# Altium PCB spin5v1_simple.PcbDoc (part 6 of 25) (continued)
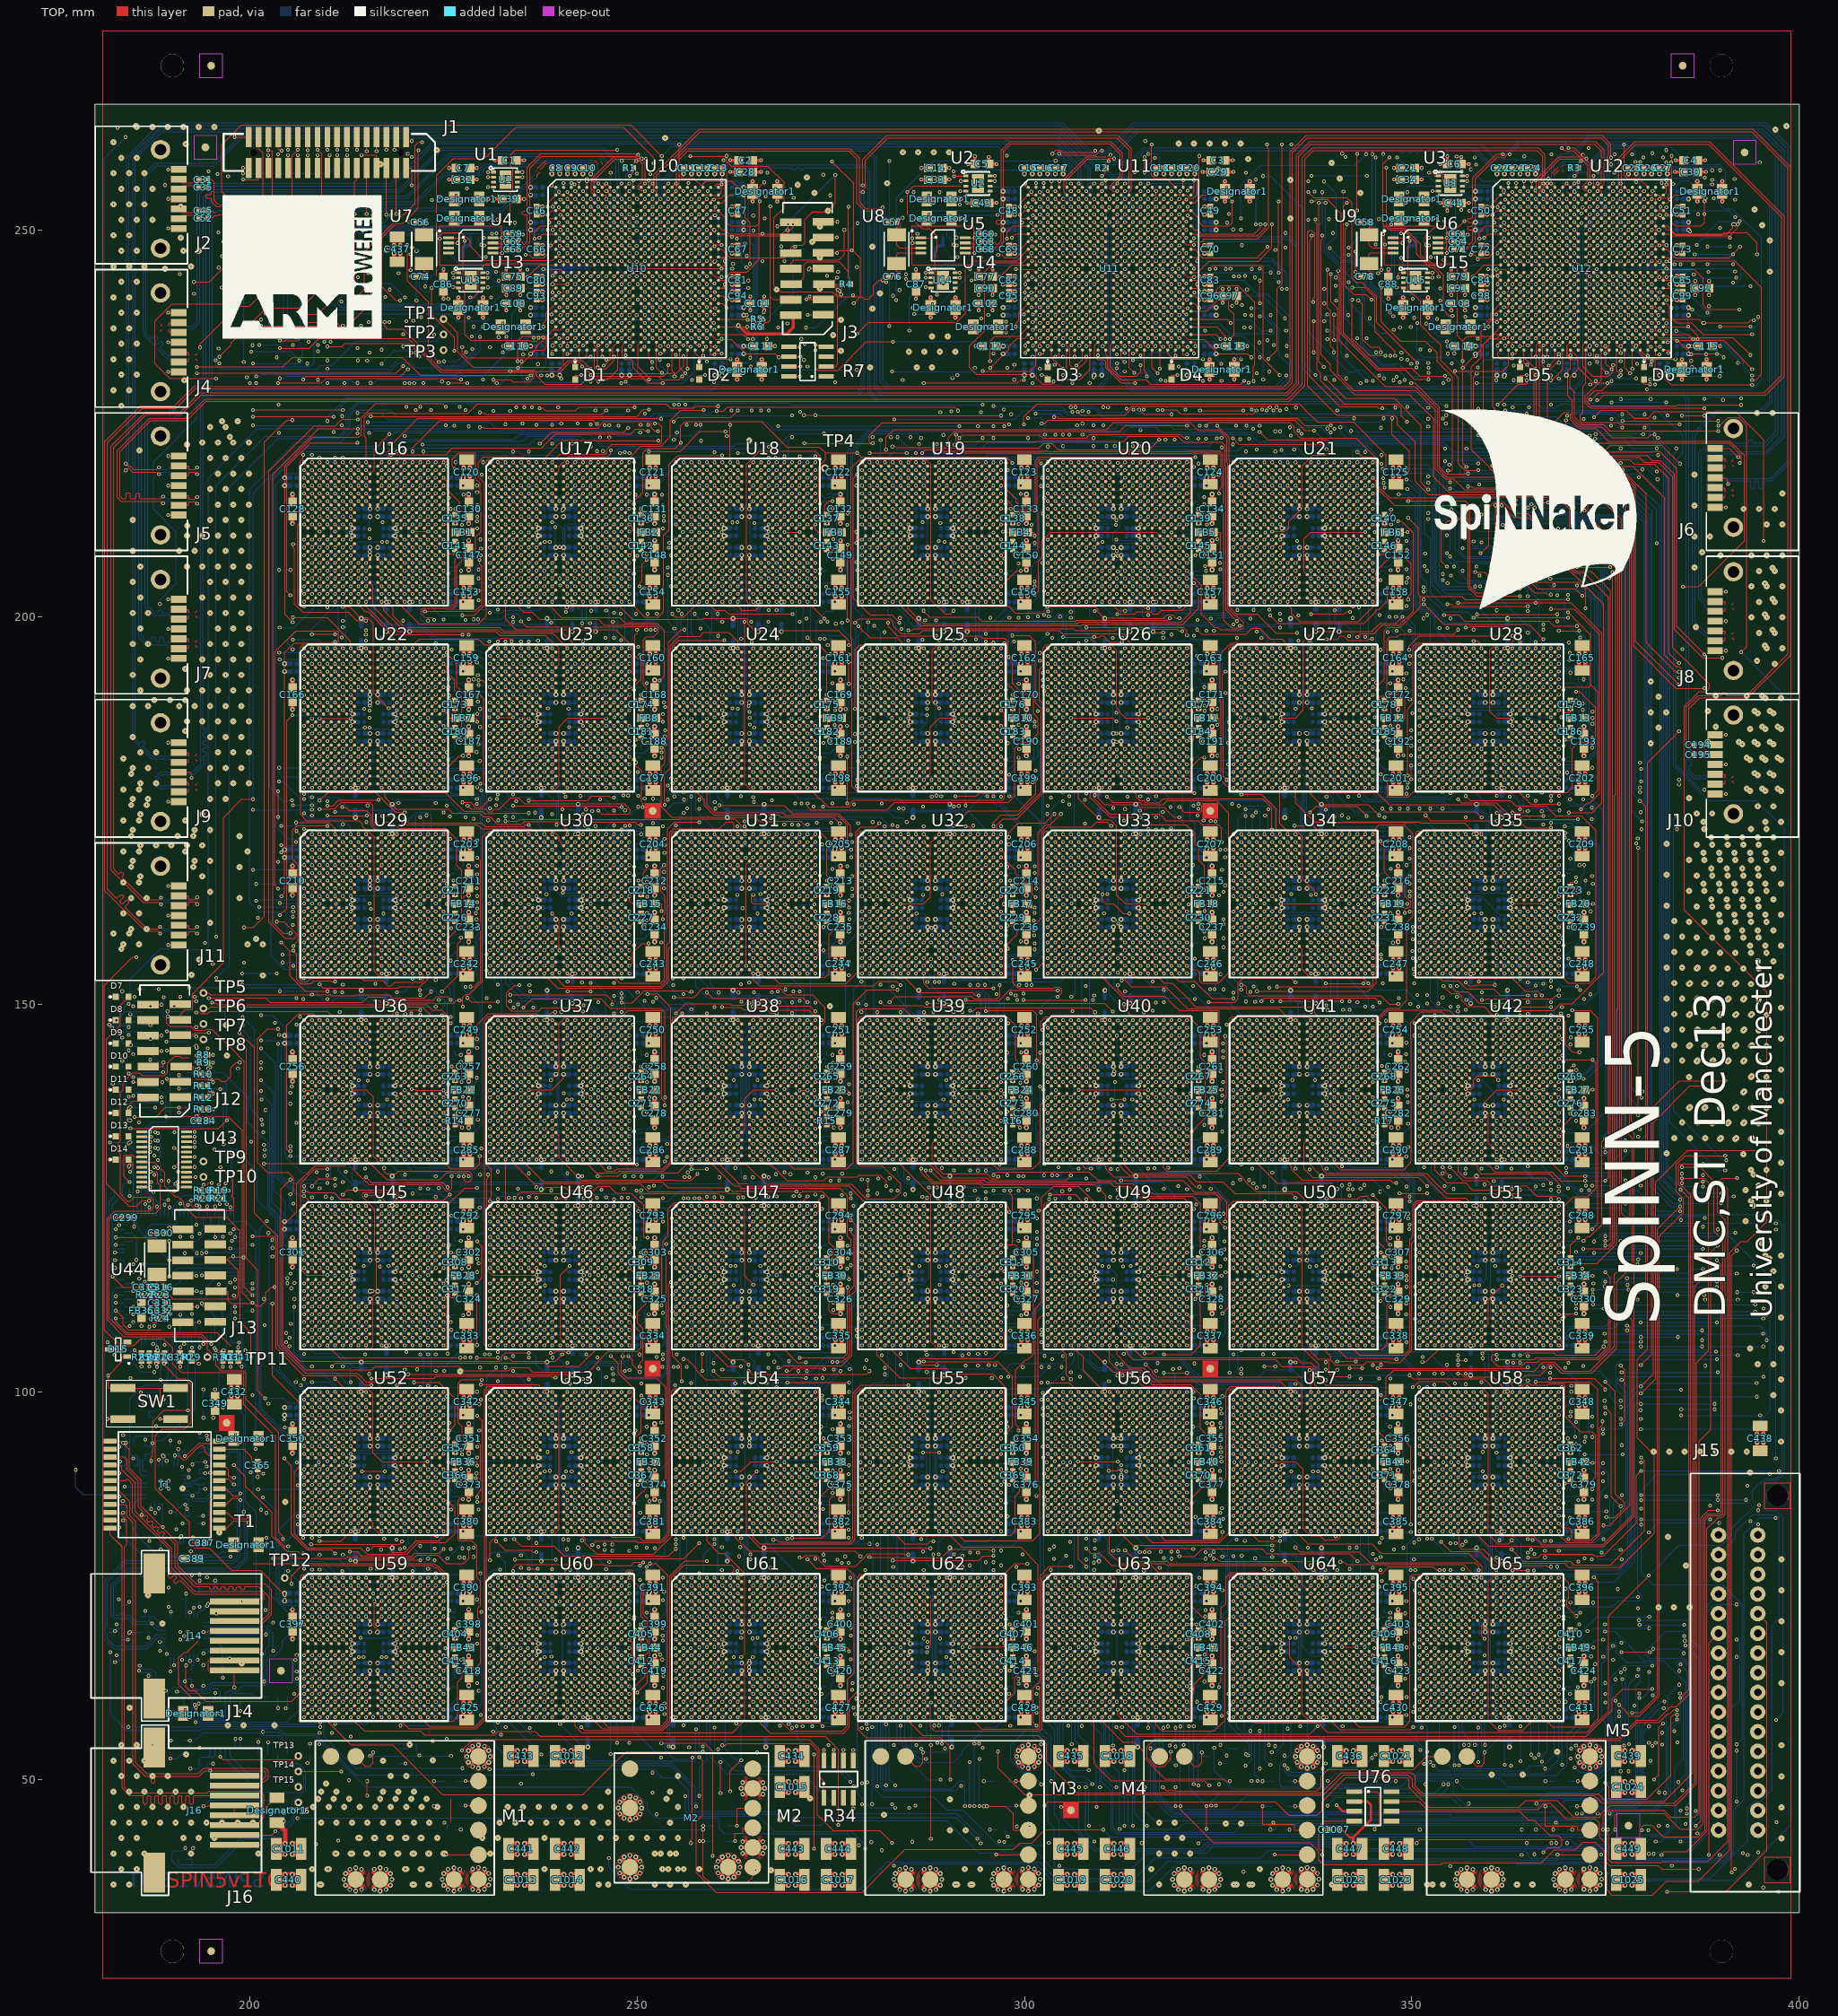
[diagram p0: TOP view]
## Nets (pads, with @x,y where several pads share a name; then routed paths per layer and width w, separated by ;. In a path a pad name is that pad's centre, name@x,y a point inside that pad or via, vN(x,y) a via of type N, cw(c..) or ccw(c..) an arc to the next point about the centre after c; other vN are vias at no path point) (continued)
  BOTTOM w0.127: v1(250,198.358) 251.193,199.551 252.276,199.551 253.419,200.694 253.419,205.889 v1(253.961,206.431) ; v1(273,191) 273.432,191.432 273.432,196.554 273.169,196.817 273.169,199.502 274.439,200.772 275.158,200.772 277.254,202.868 277.254,207.097 278.588,208.431 279.05,208.431 279.431,208.812 279.431,220.187 v1(278.393,221.225) ; v1(321,167) 320.569,167.431 320.569,170.185 320.95,170.566 321.339,170.566 322.8,172.027 322.8,172.445 v1(324.059,173.704)
  other v1: 225,71 249,71 273,71 297,71 321,71 345,71 369,71 349.317,73 249,79.492 371.505,86.027 298.046,88.008 225,95 249,95 273,95 297,95 321,95 369,95 225,119 249,119 273,119 321,119 345,119 253.317,125.002 345.943,125.838 273.97,128.159 359,133 195.244,139.97 249,143 273,143 297,143 321,143 345,143 225,167 249,167 273,167 297,167 345,167 369,167 225.4,175.678 273.607,181.931 225,191 297,191 321,191 323.227,191 298.055,199.958 225,215 345,215
IO<9>: U16.F17 U17.F17 U18.F17 U19.F17 U20.F17 U21.F17 U22.F17 U23.F17 U24.F17 U25.F17 U26.F17 U27.F17 U28.F17 U29.F17 U30.F17 U31.F17 U32.F17 U33.F17 U34.F17 U35.F17 U36.F17 U37.F17 U38.F17 U39.F17 U40.F17 U41.F17 U42.F17 U45.F17 U46.F17 U47.F17 U48.F17 U49.F17 U50.F17 U51.F17 U52.F17 U53.F17 U54.F17 U55.F17 U56.F17 U57.F17 U58.F17 U59.F17 U60.F17 U61.F17 U62.F17 U63.F17 U64.F17 U65.F17 U67.12 | length 223.9
  TOP w0.127: v1(275.834,103.882) 276.532,103.882 277.421,104.771 277.421,113.078 278.012,113.669 278.012,120.088 277.596,120.504 v1(277.596,120.935) ; v1(296,173.042) 296,173.523 296.953,174.476 299.187,174.476 302.172,177.461 302.172,188.222 301.42,188.974 301.42,196.833 300.594,197.659 v1(298.455,197.659) ; v1(368,201.064) 370.998,201.064 371.788,200.274 371.804,200.274 374.281,197.797 374.281,177.273 373.074,176.066 372.709,176.066 v1(371.855,175.212)
  BOTTOM w0.127: U67.12@191.95,141.27 196.476,141.27 199.715,138.031 199.715,134.748 201.493,132.97 201.501,132.97 202.327,132.144 202.327,123.853 203.582,122.598 203.582,118.131 v1(202.916,117.465) ; v1(224,95) 224.431,95.431 224.431,99.05 224.812,99.431 v1(225.431,99.431) ; v1(242.901,211.066) 243.431,210.536 243.431,193.95 243.812,193.569 245.061,193.569 245.569,193.061 245.569,189.768 245.768,189.569 247.232,189.569 247.431,189.768 247.431,190.431 v1(248,191) ; v1(272,187.069) 272.432,187.501 272.432,191 ; v1(272,191) 272.432,191 ; v1(273.862,98.926) 273.671,98.926 273.431,99.166 273.431,99.713 273.749,100.031 273.802,100.031 275.834,102.063 v1(275.834,103.882) ; v1(275.242,214.054) 275.242,211.445 274.797,211 273.385,211 272.432,210.047 272.432,191 ; v1(320,191) 320.432,190.568 320.432,187.635 v1(321,187.067) ; v1(340,163.069) 340.431,163.069 340.86,163.498 343.113,163.498 343.431,163.816 343.431,166.431 v1(344,167) ; v1(344,95) 344.432,94.568 344.432,78.897 344.94,78.389 v1(345.4,78.389) ; v1(368,95) 367.569,95.431 366.768,95.431 366.569,95.232 366.569,91.814 367.363,91.02 372.117,91.02 373.653,89.484 v1(374.712,89.484)
  other v1: 224,71 248,71 272,71 296,71 320,71 344,71 368,71 371.738,71.492 255,80.361 297.431,88.43 248,95 272,95 296,95 320,95 254.888,100.862 347.237,113.408 261,115.067 224,119 248,119 272,119 296,119 320,119 344,119 368,119 250.57,125.116 297.4,125.978 343.915,126.714 275.14,141.887 224,143 248,143 272,143 296,143 320,143 344,143 368,143 369.431,143.43 225.918,148.4 300.907,152.542 277.327,153.789 347.267,161.8 224,167 248,167 272,167 296,167 320,167 368,167 371.667,168 229.295,175.92 270.4,175.965 264.524,187.035 224,191 225.607,191 296,191 344,191 368,191 226.055,195.831 349.327,201.427 248,211.069 224,215 248,215 272,215 296,215 320,215 344,215 297.356,226.83
IO_EN1: R13.2 U67.1 U67.19 U69.9 | length 6.2
  TOP w0.127: v1(185.109,135.478) 187.85,135.478 189.092,136.72 v1(190.833,136.72)
  other v1: 184.917,113 193.129,135.592
IO_EN2: R188.2 TP9.1 U69.53 U75.14 U75.15 | length 6.9
  BOTTOM w0.127: v1(192.322,51.37) 192.903,51.37 192.979,51.294 193.315,51.294 193.47,51.449 193.47,52 193.47,52.551 193.788,52.869 194.595,52.869 ; U75.15@194.87,54.05 194.87,53.144 194.595,52.869 ; U75.14@195.52,54.05 195.52,53.109 195.28,52.869 194.595,52.869
  other v1: 196.5,97.94 198.083,120
LED<0>: D14.2 U69.81 | length 42.1
  TOP w0.127: D14.2@184.325,130 184.916,129.409 184.916,128.837 v1(184.51,128.431) ; v1(187.173,128.431) 187.892,128.431 188.091,128.232 188.091,126.981 188.431,126.641 188.431,123.696 187.796,123.061 182.678,123.061 181.852,122.235 181.852,109.507 183.948,107.411 193.772,107.411 v1(195,106.183)
LED<1>: D13.2 U69.80
  other v1: 193.778,111.471
LED<2>: D12.2 U69.59 | length 25.7
  BOTTOM w0.127: 184.659,131.022 184.659,130.591 184.941,130.309 184.941,122.089 185.602,121.428 185.602,120.964 189.095,117.471 193.948,117.471 194.419,117 U69.59@199.2,117
LED<3>: D11.2 U69.58
  other v1: 197.864,117.5
LED<4>: D10.2 U69.57
  other v1: 194.378,118
LED<7>: D7.2 U69.30 | length 32.3
  TOP w0.127: D7.2@184.325,151 183.266,149.941 183.266,147.306 181.477,145.517 181.477,126.911 184.398,123.99 185.381,123.99 186.069,124.678 v1(186.979,124.678)
LED_INT: D59.1 R179.2 | length 3.1
  BOTTOM w0.127: 322.5,63.03 322.5,66.175
LED_INT_1: D60.1 R180.2 | length 3.1
  BOTTOM w0.127: 298.5,63.03 298.5,66.175
LED_INT_2: D61.1 R181.2 | length 3.1
  BOTTOM w0.127: 274.5,63.03 274.5,66.175
LED_INT_3: D62.1 R182.2 | length 3.1
  BOTTOM w0.127: 250.5,63.03 250.5,66.175
LED_INT_4: D22.1 R65.2 | length 3.1
  BOTTOM w0.127: 370.5,183.03 370.5,186.175
LED_INT_5: D16.1 R52.2 | length 3.1
  BOTTOM w0.127: 346.5,207.03 346.5,210.175
LED_INT_6: D18.1 R54.2
LED_INT_7: D19.1 R55.2 | length 3.1
  BOTTOM w0.127: 274.5,207.03 274.5,210.175
LED_INT_8: D20.1 R56.2 | length 3.1
  BOTTOM w0.127: 250.5,207.03 250.5,210.175
LED_INT_9: D25.1 R68.2 | length 3.1
  BOTTOM w0.127: 298.5,183.03 298.5,186.175
LED_INT_10: D17.1 R53.2 | length 3.1
  BOTTOM w0.127: 322.5,207.03 322.5,210.175
LED_INT_11: D23.1 R66.2 | length 3.1
  BOTTOM w0.127: 346.5,183.03 346.5,186.175
LED_INT_12: D29.1 R79.2 | length 3.3
  BOTTOM w0.127: 370.5,159.03 370.5,159.556 370.662,159.718 370.662,161.422 370.5,161.584 370.5,162.175
LED_INT_13: D36.1 R101.2 | length 6
  BOTTOM w0.127: 370.5,135.03 370.5,135.431 371.351,135.431 371.669,135.749 371.669,138.512 371.415,138.766 371.091,138.766 370.5,138.175
LED_INT_14: D30.1 R80.2 | length 3.1
  BOTTOM w0.127: 346.5,159.03 346.5,162.175
LED_INT_15: D24.1 R67.2 | length 3.1
  BOTTOM w0.127: 322.5,183.03 322.5,186.175
LED_INT_16: D26.1 R69.2 | length 3.1
  BOTTOM w0.127: 274.5,183.03 274.5,186.175
LED_INT_17: D27.1 R70.2 | length 3.1
  BOTTOM w0.127: 250.5,183.03 250.5,186.175
LED_INT_18: D21.1 R57.2 | length 3.1
  BOTTOM w0.127: 226.5,207.03 226.5,210.175
LED_INT_19: D43.1 R123.2 | length 3.1
  BOTTOM w0.127: 370.5,111.03 370.5,114.175
LED_INT_20: D37.1 R104.2 | length 4.6
  BOTTOM w0.127: 346.5,133.53 346.5,138.175
LED_INT_21: D31.1 R81.2 | length 3.1
  BOTTOM w0.127: 322.5,159.03 322.5,162.175
LED_INT_22: D32.1 R82.2 | length 3.1
  BOTTOM w0.127: 298.5,159.03 298.5,162.175
LED_INT_23: D33.1 R83.2 | length 3.1
  BOTTOM w0.127: 274.5,159.03 274.5,162.175
LED_INT_24: D34.1 R84.2 | length 3.1
  BOTTOM w0.127: 250.5,159.03 250.5,162.175
LED_INT_25: D28.1 R71.2 | length 3.1
  BOTTOM w0.127: 226.5,183.03 226.5,186.175
LED_INT_26: D50.1 R149.2 | length 3.1
  BOTTOM w0.127: 370.5,87.03 370.5,90.175
LED_INT_27: D44.1 R124.2 | length 3.1
  BOTTOM w0.127: 346.5,111.03 346.5,114.175
LED_INT_28: D38.1 R102.2 | length 3.1
  BOTTOM w0.127: 322.5,135.03 322.5,138.175
LED_INT_29: D39.1 R105.2 | length 4.6
  BOTTOM w0.127: 298.5,133.53 298.5,138.175
LED_INT_30: D40.1 R106.2 | length 4.6
  BOTTOM w0.127: 274.5,133.53 274.5,138.175
LED_INT_31: D41.1 R103.2 | length 3.1
  BOTTOM w0.127: 250.5,135.03 250.5,138.175
LED_INT_32: D42.1 R107.2 | length 4.6
  BOTTOM w0.127: 226.5,133.53 226.5,138.175
LED_INT_33: D35.1 R85.2 | length 3.1
  BOTTOM w0.127: 226.5,159.03 226.5,162.175
LED_INT_34: D57.1 R177.2 | length 3.1
  BOTTOM w0.127: 370.5,63.03 370.5,66.175
LED_INT_35: D51.1 R150.2 | length 3.1
  BOTTOM w0.127: 346.5,87.03 346.5,90.175
LED_INT_36: D45.1 R125.2 | length 3.1
  BOTTOM w0.127: 322.5,111.03 322.5,114.175
LED_INT_37: D46.1 R126.2 | length 4.6
  BOTTOM w0.127: 298.5,111.03 299.35,111.03 299.668,111.348 299.668,112.416 299.469,112.615 299.408,112.615 298.836,113.187 298.836,113.839 298.5,114.175
LED_INT_38: D47.1 R127.2
LED_INT_39: D48.1 R128.2 | length 3.1
  BOTTOM w0.127: 250.5,111.03 250.5,114.175
LED_INT_40: D49.1 R129.2 | length 3.1
  BOTTOM w0.127: 226.5,111.03 226.5,114.175
LED_INT_41: D58.1 R178.2 | length 3.1
  BOTTOM w0.127: 346.5,63.03 346.5,66.175
LED_INT_42: D52.1 R151.2 | length 3.1
  BOTTOM w0.127: 322.5,87.03 322.5,90.175
LED_INT_43: D53.1 R152.2 | length 3.1
  BOTTOM w0.127: 298.5,87.03 298.5,90.175
LED_INT_44: D54.1 R153.2 | length 3.1
  BOTTOM w0.127: 274.5,87.03 274.5,90.175
LED_INT_45: D55.1 R154.2 | length 3.1
  BOTTOM w0.127: 250.5,87.03 250.5,90.175
  other v1: 250.5,92.136
LED_INT_46: D56.1 R155.2 | length 3.1
  BOTTOM w0.127: 226.5,87.03 226.5,90.175
LED_INT_47: D63.1 R183.2 | length 3.1
  BOTTOM w0.127: 226.5,63.03 226.5,66.175
LINK0_N: U10.D15 U12.B16 | length 230.5
  TOP w0.125: v1(373.1,228.1) 373.258,228.1 374.158,229 395.54,229 397.8,231.26 397.8,251.6 388.325,261.075 378.975,261.075 377.111,259.211 377.111,255.662 377.11,255.661 377.11,254.851 377.097,254.838 376.838,254.838 U12.B16@376.5,254.5
  BOTTOM w0.125: v1(254,253) 254,253.392 253.57,253.822 253.57,254.038 253.245,254.363 253.245,256.416 255.226,258.397 279.348,258.397 280.125,257.62 280.125,229.135 281.06,228.2 373,228.2 v1(373.1,228.1)
  other v1: 252,253 254,254
LINK0_P: U10.C15 U12.A16 | length 230
  TOP w0.125: v1(373.947,228.015) 374.132,228.015 374.792,228.675 395.675,228.675 398.125,231.125 398.125,251.735 388.46,261.4 378.84,261.4 376.786,259.346 376.786,255.786 U12.A16@376.5,255.5
  BOTTOM w0.125: 254,254 254,254.068 253.57,254.498 253.57,256.281 255.361,258.072 269.919,258.072 270.044,257.947 270.044,257.861 270.169,257.736 270.419,257.736 270.544,257.861 270.544,257.947 270.669,258.072 270.919,258.072 271.044,257.947 271.044,257.861 271.169,257.736 271.419,257.736 271.544,257.861 271.544,257.947 271.669,258.072 279.213,258.072 279.8,257.485 279.8,229 280.925,227.875 372.717,227.875 372.922,227.67 373.065,227.67 373.135,227.6 373.366,227.6 373.781,228.015 v1(373.947,228.015)
LINK1_N: U10.B16 U11.D15 | length 115.6
  TOP w0.125: U10.B16@254.5,254.5 254.837,254.837 255.098,254.837 255.11,254.849 255.11,255.661 255.413,255.964 255.413,259.072 256.516,260.175 277.319,260.175 278.367,259.127 278.367,254.585 278.369,254.583 278.369,253.463 279.408,252.424 281.247,252.424 281.574,252.097 v1(281.654,252.097)
  BOTTOM w0.125: v1(281.654,252.097) 281.654,251.949 281.4,251.695 281.4,230.5 282.425,229.475 309.675,229.475 311.197,230.997 311.197,250.017 311.75,250.57 312.178,250.57 312.43,250.822 312.43,251.251 312.749,251.57 313.178,251.57 313.43,251.822 313.43,252.25 313.658,252.478 313.749,252.57 314.178,252.57 314.608,253 v1(315,253)
  other v1: 265.619,238 261.312,243 261.566,243.998 270.402,247.815 269.496,250.729 270.103,250.729 257,253 308,253 265.829,253.673 252,254 306,254 308,254 315,254 263.737,254.901 255,255 259.099,254.998 307,255 252,256 255,256 307,256 260.891,256.434 261.566,259.567 255.434,261.032
LINK1_P: U10.A16 U11.C15 | length 115.6
  TOP w0.125: U10.A16@254.5,255.5 254.785,255.785 254.785,255.796 255.088,256.099 255.088,259.207 256.381,260.5 277.454,260.5 278.692,259.262 278.692,254.72 278.694,254.718 278.694,253.598 279.543,252.749 281.243,252.749 281.394,252.9 v1(281.7,252.9)
  BOTTOM w0.125: v1(281.7,252.9) 281.7,252.659 282.084,252.275 282.084,251.919 281.725,251.56 281.725,230.635 282.56,229.8 309.54,229.8 310.872,231.132 310.872,250.152 311.57,250.85 311.57,251.178 311.822,251.43 312.149,251.43 312.57,251.851 312.57,252.178 312.822,252.43 313.149,252.43 313.427,252.708 313.554,252.836 ; 313.553,252.836 313.57,252.853 313.57,253.178 313.932,253.54 314.54,253.54 315,254
LINK2_N: U11.B16 U12.D15 | length 120.4
  TOP w0.062: U11.B16@315.5,254.5 v1(316,255)
  TOP w0.063: U12.D15@375.5,252.5 v1(376,253)
  BOTTOM w0.062: v1(316,255) 316.378,255 317.057,255.679 ; 321.73,255.679 321.855,255.554 ; 321.855,250.006 323.067,248.794 ; 334.18,248.794 335.1,247.874 ; 335.1,230.44 336.065,229.475 ; 371.175,229.475 372.111,230.411 ; 372.111,249.884 372.797,250.57 372.895,250.57 373.178,250.57 373.43,250.822 373.43,251.105 373.43,251.204 373.796,251.57 373.895,251.57 374.178,251.57 374.43,251.822 374.43,252.105 374.43,252.184 374.816,252.57 374.895,252.57 375.178,252.57 375.608,253 v1(376,253)
  BOTTOM w0.125: v1(316,255) 316.378,255 317.057,255.679 321.73,255.679 321.855,255.554 321.855,250.006 323.067,248.794 334.18,248.794 335.1,247.874 335.1,230.44 336.065,229.475 371.175,229.475 372.111,230.411 372.111,249.884 372.797,250.57 373.178,250.57 373.43,250.822 373.43,251.204 373.796,251.57 374.178,251.57 374.43,251.822 374.43,252.184 374.816,252.57 375.178,252.57 375.608,253 v1(376,253)
LINK2_P: U11.A16 U12.C15 | length 121
  TOP w0.062: U11.A16@315.5,255.5 v1(316,256)
  TOP w0.063: U12.C15@375.5,253.5 v1(376,254)
  BOTTOM w0.062: v1(316,256) 316.73,256 316.734,256.004 ; 321.865,256.004 322.18,255.689 ; 322.18,250.141 323.202,249.119 ; 334.315,249.119 335.425,248.009 ; 335.425,230.575 336.2,229.8 ; 371.04,229.8 371.786,230.546 ; 371.786,250.019 372.57,250.803 372.57,250.895 372.57,251.178 372.822,251.43 373.105,251.43 373.196,251.43 373.57,251.804 373.57,251.895 373.57,252.178 373.822,252.43 374.105,252.43 374.216,252.43 374.57,252.784 374.57,252.895 374.57,253.178 374.826,253.434 375.684,253.434 376,253.75 v1(376,254)
  BOTTOM w0.125: v1(316,256) 316.73,256 316.734,256.004 321.865,256.004 322.18,255.689 322.18,250.141 323.202,249.119 334.315,249.119 335.425,248.009 335.425,230.575 336.2,229.8 371.04,229.8 371.786,230.546 371.786,250.019 372.57,250.803 372.57,251.178 372.822,251.43 373.196,251.43 373.57,251.804 373.57,252.178 373.822,252.43 374.216,252.43 374.57,252.784 374.57,253.178 374.826,253.434 375.684,253.434 376,253.75 v1(376,254)
MDC: U69.87 U71.17 | length 10.2
  TOP w0.127: 187.25,91.206 187.25,91.637 187.427,91.814 187.427,96.16 188.888,97.621 192,97.621
MDC_49: U63.D13
  other v1: 316,73
MDC_50: U62.D13
  other v1: 292,73
MDC_51: U61.D13
  other v1: 268,73
MDC_52: U60.D13
  other v1: 244,73
MDC_53: U28.D13
  other v1: 364,193
MDC_54: U21.D13
  other v1: 340,217
MDC_55: U19.D13
  other v1: 292,217
MDC_56: U18.D13
  other v1: 268,217
MDC_57: U17.D13
  other v1: 244,217
MDC_58: U25.D13
  other v1: 292,193
MDC_59: U20.D13
  other v1: 316,217
MDC_60: U27.D13
  other v1: 340,193
MDC_61: U35.D13
  other v1: 364,169
MDC_62: U42.D13
  other v1: 364,145
MDC_63: U34.D13
  other v1: 340,169
MDC_64: U26.D13
  other v1: 316,193
MDC_65: U24.D13
  other v1: 268,193
MDC_66: U23.D13
  other v1: 244,193
MDC_67: U16.D13
  other v1: 220,217
MDC_68: U51.D13
  other v1: 364,121
MDC_69: U41.D13
  other v1: 340,145
MDC_70: U33.D13
  other v1: 316,169
MDC_71: U32.D13
  other v1: 292,169
MDC_72: U31.D13
  other v1: 268,169
MDC_73: U30.D13
  other v1: 244,169
MDC_74: U22.D13
  other v1: 220,193
MDC_75: U58.D13
  other v1: 364,97
MDC_76: U50.D13
  other v1: 340,121
MDC_77: U40.D13
  other v1: 316,145
MDC_78: U39.D13
  other v1: 292,145
MDC_79: U38.D13
  other v1: 268,145
MDC_80: U37.D13
  other v1: 244,145
MDC_81: U36.D13
  other v1: 220,145
MDC_82: U29.D13
  other v1: 220,169
MDC_83: U65.D13
  other v1: 364,73
MDC_84: U57.D13
  other v1: 340,97
MDC_85: U49.D13
  other v1: 316,121
MDC_86: U48.D13
  other v1: 292,121
MDC_87: U47.D13
  other v1: 268,121
MDC_88: U46.D13
  other v1: 244,121
MDC_89: U45.D13
  other v1: 220,121
MDC_90: U64.D13
  other v1: 340,73
MDC_91: U56.D13
  other v1: 316,97
MDC_92: U55.D13
  other v1: 292,97
MDC_93: U54.D13
  other v1: 268,97
MDC_94: U53.D13
  other v1: 244,97
MDC_95: U52.D13
  other v1: 220,97
MDC_96: U59.D13 U72.17 | length 9.7
  BOTTOM w0.127: v1(214.295,68.242) 218,68.242 218.508,68.75 218.508,72.177 218.762,72.431 219.431,72.431 v1(220,73)
MDIO: R143.2 U69.86 U71.16 | length 21.8
  BOTTOM w0.127: U71.16@186.625,89.75 186.203,89.75 186.203,91.147 186.5,91.444 186.5,91.97 187.051,91.97 187.559,92.478 187.559,93.254 188.067,93.762 188.848,93.762 190.733,95.647 190.772,95.647 192.931,97.806 192.931,105.964 192.732,106.163 192.691,106.163 192.5,106.354 U69.86@192.5,107.3
  other v1: 187.25,91.092
MDIO_49: U63.A12
  other v1: 315,76
MDIO_50: U62.A12
  other v1: 291,76
MDIO_51: U61.A12
  other v1: 267,76
MDIO_52: U60.A12
  other v1: 243,76
MDIO_53: U28.A12
  other v1: 363,196
MDIO_54: U21.A12
  other v1: 339,220
MDIO_55: U19.A12
  other v1: 291,220
MDIO_56: U18.A12
  other v1: 267,220
MDIO_57: U17.A12
  other v1: 243,220
MDIO_58: U25.A12
  other v1: 291,196
MDIO_59: U20.A12
  other v1: 315,220
MDIO_60: U27.A12
  other v1: 339,196
MDIO_61: U35.A12
  other v1: 363,172
MDIO_62: U42.A12
  other v1: 363,148
MDIO_63: U34.A12
  other v1: 339,172
MDIO_64: U26.A12
  other v1: 315,196
MDIO_65: U24.A12
  other v1: 267,196
MDIO_66: U23.A12
  other v1: 243,196
MDIO_67: U16.A12
  other v1: 219,220
MDIO_68: U51.A12
  other v1: 363,124
MDIO_69: U41.A12
  other v1: 339,148
MDIO_70: U33.A12
  other v1: 315,172
MDIO_71: U32.A12
  other v1: 291,172
MDIO_72: U31.A12
  other v1: 267,172
MDIO_73: U30.A12
  other v1: 243,172
MDIO_74: U22.A12
  other v1: 219,196
MDIO_75: U58.A12
  other v1: 363,100
MDIO_76: U50.A12
  other v1: 339,124
MDIO_77: U40.A12
  other v1: 315,148
MDIO_78: U39.A12
  other v1: 291,148
MDIO_79: U38.A12
  other v1: 267,148
MDIO_80: U37.A12
  other v1: 243,148
MDIO_81: U36.A12
  other v1: 219,148
MDIO_82: U29.A12
  other v1: 219,172
MDIO_83: U65.A12
  other v1: 363,76
MDIO_84: U57.A12
  other v1: 339,100
MDIO_85: U49.A12
  other v1: 315,124
MDIO_86: U48.A12
  other v1: 291,124
MDIO_87: U47.A12
  other v1: 267,124
MDIO_88: U46.A12
  other v1: 243,124
MDIO_89: U45.A12
  other v1: 219,124
MDIO_90: U64.A12
  other v1: 339,76
MDIO_91: U56.A12
  other v1: 315,100
MDIO_92: U55.A12
  other v1: 291,100
MDIO_93: U54.A12
  other v1: 267,100
MDIO_94: U53.A12
  other v1: 243,100
MDIO_95: U52.A12
  other v1: 219,100
MDIO_96: R174.2 U59.A12 U72.16 | length 3
  BOTTOM w0.127: U72.16@193.875,66.75 194.434,66.75 194.684,66.5 ; v1(193.999,66.258) 194.442,66.258 194.684,66.5 ; 195.97,66.5 194.684,66.5
  other v1: 219,76
MGT_CLKN: C71.1 U12.B10 U12.B12 | length 36.2
  TOP w0.125: C71.1@356.53,247.5 357.029,247.5 357.366,247.837 357.626,247.837 358.204,248.415 358.204,256.591 361.062,259.449 361.523,259.449 361.628,259.344 361.984,259.344 362.414,259.774 v1(362.675,259.774) ; v1(369.359,260.592) 369.631,260.32 369.892,260.32 370.05,260.162 370.406,260.162 370.511,260.267 370.84,260.267 372.745,258.362 372.745,256.684 372.75,256.679 372.75,256.358 372.57,256.178 372.57,256.121 372.11,255.661 372.11,255.339 372.339,255.11 372.89,255.11 v1(373,255)
  BOTTOM w0.125: v1(362.675,259.774) 363.976,261.075 369.545,261.075 369.631,260.989 369.631,260.864 v1(369.359,260.592) ; 370,255 370,255.117 370.22,255.337 372.663,255.337 v1(373,255)
  other v1: 371,236 358.755,248.866 359.362,249 363,249 367,253 367,254 368,254 367,255 371,255 377,255 367,256 370,256 371,256 373,256 377,256 372.574,259.218 372.119,259.684 377.434,261.032
MGT_CLKN_3: C65.1 U10.B10 U10.B12 | length 34
  TOP w0.125: C65.1@234.53,247.5 235.029,247.5 235.366,247.837 235.626,247.837 236.155,248.366 236.155,257.97 237.685,259.5 249.723,259.5 250.705,258.518 250.705,256.313 250.11,255.718 250.11,255.339 250.339,255.11 250.89,255.11 251,255
  BOTTOM w0.125: 249,255 249,255.143 249.194,255.337 250.663,255.337 251,255
MGT_CLKN_4: C68.1 U11.B10 U11.B12 | length 47.8
  TOP w0.062: C68.1@295.53,247.5 296.029,247.5 296.299,247.77 ; 296.735,247.837 297.325,248.427 ; 297.325,250.969 297.325,251.069 ; 297.325,260.125 298.3,261.1 ; U11.B10@309.5,254.5 310,255 ; 311.04,261.1 312.34,259.8 ; 312,255 311.449,255 311.11,255.339 311.11,255.661 311.57,256.121 311.57,256.178 312.34,256.948
  TOP w0.125: C68.1@295.53,247.5 296.029,247.5 296.366,247.837 296.735,247.837 297.325,248.427 297.325,260.125 298.3,261.1 311.04,261.1 312.34,259.8 312.34,256.948 311.57,256.178 311.57,256.121 311.11,255.661 311.11,255.339 311.449,255 312,255
  BOTTOM w0.062: 310,255 310.27,255.27 ; 311.774,255.314 312,255.088 312,255
  BOTTOM w0.125: 310,255 310.337,255.337 311.751,255.337 312,255.088 312,255
MGT_CLKP: C64.1 U12.A10 U12.A12 | length 36.1
  TOP w0.125: C64.1@356.53,248.5 357.028,248.5 357.366,248.162 357.491,248.162 357.879,248.55 357.879,249.869 357.754,249.994 357.355,249.994 357.23,250.119 357.23,250.369 357.355,250.494 357.754,250.494 357.879,250.619 357.879,250.869 357.754,250.994 357.355,250.994 357.23,251.119 357.23,251.369 357.355,251.494 357.754,251.494 357.879,251.619 357.879,256.725 360.928,259.774 v1(361.806,259.774) ; v1(370.228,260.592) 370.974,260.592 373.07,258.496 373.07,256.819 373.075,256.814 373.075,256.075 373,256
  BOTTOM w0.125: v1(361.806,259.774) 362.067,259.774 362.497,260.204 362.645,260.204 363.841,261.4 369.68,261.4 369.956,261.124 369.956,260.864 v1(370.228,260.592) ; 370,256 370.338,255.662 372.662,255.662 373,256
MGT_CLKP_3: C62.1 U10.A10 U10.A12 | length 33.5
  TOP w0.125: C62.1@234.53,248.5 235.028,248.5 235.366,248.162 235.491,248.162 235.83,248.501 235.83,251.838 235.705,251.963 235.322,251.963 235.197,252.088 235.197,252.338 235.322,252.463 235.705,252.463 235.83,252.588 235.83,258.105 237.55,259.825 249.858,259.825 251.03,258.653 251.03,256.178 251.01,256.158 251.01,256.01 251,256
  BOTTOM w0.125: 249,256 249.194,255.806 249.194,255.787 249.319,255.662 250.662,255.662 251,256
MGT_CLKP_4: C63.1 U11.A10 U11.A12 | length 47.2
  TOP w0.062: C63.1@295.53,248.5 296.028,248.5 296.299,248.229 ; 296.6,248.162 297,248.562 ; 297,250.644 296.875,250.769 296.483,250.769 296.358,250.894 296.358,251.144 296.483,251.269 296.875,251.269 297,251.394 ; 297,260.26 298.165,261.425 ; U11.A10@309.5,255.5 v1(310,256) ; 311.175,261.425 312.665,259.935 ; v1(312,256) 312,256.148 312.665,256.813
  TOP w0.125: C63.1@295.53,248.5 296.028,248.5 296.366,248.162 296.6,248.162 297,248.562 297,250.644 296.875,250.769 296.483,250.769 296.358,250.894 296.358,251.144 296.483,251.269 296.875,251.269 297,251.394 297,260.26 298.165,261.425 311.175,261.425 312.665,259.935 312.665,256.813 312,256.148 v1(312,256)
  BOTTOM w0.062: v1(310,256) 310.27,255.73 ; 311.774,255.774 v1(312,256)
  BOTTOM w0.125: v1(310,256) 310.338,255.662 311.662,255.662 v1(312,256)
  other v1: 310,255 312,255
MGTREF: R3.1 U12.E9
  other v1: 369,252
MGTREF_3: R1.1 U10.E9
  other v1: 247,252
MGTREF_4: R2.1 U11.E9
  other v1: 308,252
NCLK10: TP4.1 U18.G16 | length 7.4
  BOTTOM w0.127: v1(271,214) 271.445,214.445 272.113,214.445 272.431,214.763 272.431,218.051 272.939,218.559 273.559,218.559 TP4.1@274.25,219.25
NRST: C862.1 D15.1 R130.2 SW1.1 SW1.2 U69.17 U70.3 | length 8.8
  TOP w0.127: SW1.2@183.6,100.5 188.418,100.5 ; 188.418,98.5 188.418,100.5 ; SW1.1@190.4,100.5 188.418,100.5
  other v1: 182.586,117
NTRST: J13.3 R24.2 U69.4 | length 7.4
  TOP w0.127: v1(182.683,110.5) 183.622,109.561 183.622,108.685 184.321,107.986 188.504,107.986
  other v1: 189.371,110.408 193.778,111.4
NTRST_2: J12.3 U16.D16 U17.D16 U18.D16 U19.D16 U20.D16 U21.D16 U22.D16 U23.D16 U24.D16 U25.D16 U26.D16 U27.D16 U28.D16 U29.D16 U30.D16 U31.D16 U32.D16 U33.D16 U34.D16 U35.D16 U36.D16 U37.D16 U38.D16 U39.D16 U40.D16 U41.D16 U42.D16 U45.D16 U46.D16 U47.D16 U48.D16 U49.D16 U50.D16 U51.D16 U52.D16 U53.D16 U54.D16 U55.D16 U56.D16 U57.D16 U58.D16 U59.D16 U60.D16 U61.D16 U62.D16 U63.D16 U64.D16 U65.D16 | length 319.6
  TOP w0.127: v1(193.067,148.975) 193.498,148.975 193.664,148.809 194.538,148.809 194.844,149.115 210.011,149.115 210.529,148.597 218.242,148.597 218.496,148.851 218.496,148.974 218.814,149.292 v1(222,149.292) ; v1(223.8,199.645) 223.449,199.996 222.614,199.996 222.169,200.441 222.169,200.997 222.368,201.196 226.295,201.196 226.74,201.641 226.74,206.626 227.366,207.252 227.366,207.612 227.874,208.12 228.912,208.12 229.166,208.374 229.166,210.413 229.812,211.059 229.812,216.071 229.748,216.135 ; v1(226.455,219.178) 226.158,219.475 226.158,220.422 226.952,221.216 229.041,221.216 229.141,221.116 229.141,217.884 229.34,217.685 229.351,217.685 229.748,217.288 229.748,216.135 ; v1(229.317,216.135) 229.748,216.135 ; v1(271,138.931) v1(272,138.931) ; v1(345,125.407) 346.74,123.667 346.74,119.487 v1(347.227,119) ; v1(355.994,201.864) v1(366,201.864) 370.565,201.864 371.901,200.528 371.931,200.528 374.535,197.924 374.535,176.051 373.265,174.781 v1(370.298,174.781) ; v1(370.735,149.262) 373.04,149.262 374.056,148.246 374.056,121.739 v1(373.317,121)
  BOTTOM w0.127: v1(222,174.178) 222.431,173.747 222.431,169.569 v1(223,169) ; v1(229.342,117.2) 229.811,117.2 230.256,116.755 230.256,106.014 230.701,105.569 230.75,105.569 230.949,105.37 v1(230.949,104.843) ; v1(247,193) 247,193.391 247.431,193.822 247.431,216.569 v1(247,217) ; v1(264.513,93.465) 264.513,96.177 264.767,96.431 270.431,96.431 271,97 ; v1(269.95,186.931) 270.569,187.55 270.569,193 ; v1(271,193) 270.569,193 ; v1(271,217) 271,216.609 270.569,216.178 270.569,193 ; v1(291,222.267) 293.738,222.267 v1(294.6,223.129) ; v1(295,97) 295.432,96.568 295.432,91.909 296.575,90.766 v1(297.632,90.766) ; v1(295,217) 295.431,217.431 295.431,220.05 296.066,220.685 317.986,220.685 318.431,220.24 318.431,217.569 v1(319,217) ; v1(319,73) 319.431,73.431 319.431,74.058 319.939,74.566 321.831,74.566 v1(322.197,74.932) ; v1(343,121) 343.432,121.432 343.432,124.772 344.067,125.407 v1(345,125.407) ; v1(352.143,217.356) 352.685,216.814 352.685,204.171 354.082,202.774 355.084,202.774 v1(355.994,201.864) ; v1(367,97) 367.431,97.431 369.288,97.431 369.685,97.828 369.685,97.858 v1(370.627,98.8) ; v1(367,121) 367.391,121 367.822,120.569 369.388,120.569 369.982,121.163 372.707,121.163 372.87,121 v1(373.317,121) ; v1(367,169) 367.431,169.431 369.091,169.431 370.298,170.638 v1(370.298,171.122)
  other v1: 223,73 247,73 271,73 295,73 343,73 367,73 369.607,73.076 221,76.862 264.63,78.4 320,91 321.606,92.4 223,97 247,97 319,97 343,97 323.232,118.8 254.569,119.43 325.842,119.442 297.607,119.631 223,121 247,121 271,121 295,121 319,121 189.278,140.4 325.665,144 223,145 247,145 271,145 295,145 319,145 343,145 367,145 297.925,147.6 230.569,150.839 277.425,161.042 343.099,162.931 301.329,167.841 247,169 271,169 295,169 319,169 343,169 253.167,182.558 302.391,191.872 223,193 295,193 319,193 343,193 367,193 288.6,199.599 323.227,214.6 223,217 343,217
PHYIRQ: U63.C12
  other v1: 315,74
PHYIRQ_48: U62.C12
  other v1: 291,74
PHYIRQ_49: U61.C12
  other v1: 267,74
PHYIRQ_50: U60.C12
  other v1: 243,74
PHYIRQ_51: U28.C12
  other v1: 363,194
PHYIRQ_52: U21.C12
  other v1: 339,218
PHYIRQ_53: U19.C12
  other v1: 291,218
PHYIRQ_54: U18.C12
  other v1: 267,218
PHYIRQ_55: U17.C12
  other v1: 243,218
PHYIRQ_56: U25.C12
  other v1: 291,194
PHYIRQ_57: U20.C12
  other v1: 315,218
PHYIRQ_58: U27.C12
  other v1: 339,194
PHYIRQ_59: U35.C12
  other v1: 363,170
PHYIRQ_60: U42.C12
  other v1: 363,146
PHYIRQ_61: U34.C12
  other v1: 339,170
PHYIRQ_62: U26.C12
  other v1: 315,194
PHYIRQ_63: U24.C12
  other v1: 267,194
PHYIRQ_64: U23.C12
  other v1: 243,194
PHYIRQ_65: U16.C12
  other v1: 219,218
PHYIRQ_66: U51.C12
  other v1: 363,122
PHYIRQ_67: U41.C12
  other v1: 339,146
PHYIRQ_68: U33.C12
  other v1: 315,170
PHYIRQ_69: U32.C12
  other v1: 291,170
PHYIRQ_70: U31.C12
  other v1: 267,170
PHYIRQ_71: U30.C12
  other v1: 243,170
PHYIRQ_72: U22.C12
  other v1: 219,194
PHYIRQ_73: U58.C12
  other v1: 363,98
PHYIRQ_74: U50.C12
  other v1: 339,122
PHYIRQ_75: U40.C12
  other v1: 315,146
PHYIRQ_76: U39.C12
  other v1: 291,146
PHYIRQ_77: U38.C12
  other v1: 267,146
PHYIRQ_78: U37.C12
  other v1: 243,146
PHYIRQ_79: U36.C12
  other v1: 219,146
PHYIRQ_80: U29.C12
  other v1: 219,170
PHYIRQ_81: U65.C12
  other v1: 363,74
PHYIRQ_82: U57.C12
  other v1: 339,98
PHYIRQ_83: U49.C12
  other v1: 315,122
PHYIRQ_84: U48.C12
  other v1: 291,122
PHYIRQ_85: U47.C12
  other v1: 267,122
PHYIRQ_86: U46.C12
  other v1: 243,122
PHYIRQ_87: U45.C12
  other v1: 219,122
PHYIRQ_88: U64.C12
  other v1: 339,74
PHYIRQ_89: U56.C12
  other v1: 315,98
PHYIRQ_90: U55.C12
  other v1: 291,98
PHYIRQ_91: U54.C12
  other v1: 267,98
PHYIRQ_92: U53.C12
  other v1: 243,98
PHYIRQ_93: U52.C12
  other v1: 219,98
PHYIRQ_94: R176.2 U59.C12 U72.18 | length 2.2
  BOTTOM w0.127: 192.5,64.03 192.5,64.556 192.75,64.806 U72.18@192.75,66.125
  other v1: 191.592,62.629 193.25,65.408 216.999,65.742 219,74

## Text inside footprints (layer, text, board x,y; h text height)
U30: PIN_NUMBER "J17" at 247.166,163.5 h0.24; PIN_NUMBER "M17" at 247.166,160.5 h0.24; PIN_NUMBER "J18" at 248.166,163.5 h0.24; PIN_NUMBER "M18" at 248.166,160.5 h0.24; PIN_NUMBER "C16" at 246.166,169.5 h0.24; PIN_NUMBER "G17" at 247.166,165.5 h0.24; PIN_NUMBER "B18" at 248.166,170.5 h0.24; PIN_NUMBER "G16" at 246.166,165.5 h0.24; PIN_NUMBER "J16" at 246.166,163.5 h0.24; PIN_NUMBER "C17" at 247.166,169.5 h0.24; PIN_NUMBER "C18" at 248.166,169.5 h0.24; PIN_NUMBER "D16" at 246.166,168.5 h0.24; PIN_NUMBER "K15" at 245.166,162.5 h0.24; PIN_NUMBER "K16" at 246.166,162.5 h0.24; PIN_NUMBER "E18" at 248.166,167.5 h0.24; PIN_NUMBER "F16" at 246.166,166.5 h0.24; PIN_NUMBER "M16" at 246.166,160.5 h0.24; PIN_NUMBER "P14" at 244.166,158.5 h0.24; PIN_NUMBER "N13" at 243.166,159.5 h0.24; PIN_NUMBER "N14" at 244.166,159.5 h0.24; PIN_NUMBER "M12" at 242.166,160.5 h0.24; PIN_NUMBER "M13" at 243.166,160.5 h0.24; PIN_NUMBER "M14" at 244.166,160.5 h0.24; PIN_NUMBER "H12" at 242.166,164.5 h0.24; PIN_NUMBER "H13" at 243.166,164.5 h0.24; PIN_NUMBER "H14" at 244.166,164.5 h0.24; PIN_NUMBER "E6" at 235.854,167.5 h0.24; PIN_NUMBER "E7" at 236.854,167.5 h0.24; PIN_NUMBER "F7" at 236.854,166.5 h0.24; PIN_NUMBER "E8" at 237.854,167.5 h0.24; PIN_NUMBER "F8" at 237.854,166.5 h0.24; PIN_NUMBER "L5" at 234.854,161.5 h0.24; PIN_NUMBER "L6" at 235.854,161.5 h0.24; PIN_NUMBER "L7" at 236.854,161.5 h0.24; PIN_NUMBER "G7" at 236.854,165.5 h0.24; PIN_NUMBER "G5" at 234.854,165.5 h0.24; PIN_NUMBER "G6" at 235.854,165.5 h0.24; PIN_NUMBER "F5" at 234.854,166.5 h0.24; PIN_NUMBER "F6" at 235.854,166.5 h0.24; PIN_NUMBER "E5" at 234.854,167.5 h0.24; PIN_NUMBER "P11" at 241.166,158.5 h0.24; PIN_NUMBER "N11" at 241.166,159.5 h0.24; PIN_NUMBER "P12" at 242.166,158.5 h0.24; PIN_NUMBER "N12" at 242.166,159.5 h0.24; PIN_NUMBER "P13" at 243.166,158.5 h0.24; PIN_NUMBER "K12" at 242.166,162.5 h0.24; PIN_NUMBER "K13" at 243.166,162.5 h0.24; PIN_NUMBER "K14" at 244.166,162.5 h0.24; PIN_NUMBER "E10" at 239.936,167.5 h0.24; PIN_NUMBER "F10" at 239.936,166.5 h0.24; PIN_NUMBER "J5" at 234.854,163.5 h0.24; PIN_NUMBER "J6" at 235.854,163.5 h0.24; PIN_NUMBER "J7" at 236.854,163.5 h0.24; PIN_NUMBER "N9" at 238.854,159.5 h0.24; PIN_NUMBER "P9" at 238.854,158.5 h0.24; PIN_NUMBER "C13" at 243.166,169.5 h0.24; PIN_NUMBER "B13" at 243.166,170.5 h0.24; PIN_NUMBER "A13" at 243.166,171.5 h0.24; PIN_NUMBER "D14" at 244.166,168.5 h0.24; PIN_NUMBER "C14" at 244.166,169.5 h0.24; PIN_NUMBER "B14" at 244.166,170.5 h0.24; PIN_NUMBER "A14" at 244.166,171.5 h0.24; PIN_NUMBER "K17" at 247.166,162.5 h0.24; PIN_NUMBER "K18" at 248.166,162.5 h0.24; PIN_NUMBER "L15" at 245.166,161.5 h0.24; PIN_NUMBER "L16" at 246.166,161.5 h0.24; PIN_NUMBER "A8" at 237.854,171.5 h0.24; PIN_NUMBER "D9" at 238.854,168.5 h0.24; PIN_NUMBER "C11" at 241.166,169.5 h0.24; PIN_NUMBER "B11" at 241.166,170.5 h0.24; PIN_NUMBER "A11" at 241.166,171.5 h0.24; PIN_NUMBER "D10" at 239.936,168.5 h0.24; PIN_NUMBER "C10" at 239.936,169.5 h0.24; PIN_NUMBER "B10" at 239.936,170.5 h0.24; PIN_NUMBER "A10" at 239.936,171.5 h0.24; PIN_NUMBER "C9" at 238.854,169.5 h0.24; PIN_NUMBER "B9" at 238.854,170.5 h0.24; PIN_NUMBER "A9" at 238.854,171.5 h0.24; PIN_NUMBER "D8" at 237.854,168.5 h0.24; PIN_NUMBER "C8" at 237.854,169.5 h0.24; PIN_NUMBER "B8" at 237.854,170.5 h0.24; PIN_NUMBER "D11" at 241.166,168.5 h0.24; PIN_NUMBER "R17" at 247.166,157.5 h0.24; PIN_NUMBER "V18" at 248.166,154.5 h0.24; PIN_NUMBER "P18" at 248.166,158.5 h0.24; PIN_NUMBER "P17" at 247.166,158.5 h0.24; PIN_NUMBER "P16" at 246.166,158.5 h0.24; PIN_NUMBER "N18" at 248.166,159.5 h0.24; PIN_NUMBER "N17" at 247.166,159.5 h0.24; PIN_NUMBER "N16" at 246.166,159.5 h0.24; PIN_NUMBER "N15" at 245.166,159.5 h0.24; PIN_NUMBER "U18" at 248.166,155.5 h0.24; PIN_NUMBER "U17" at 247.166,155.5 h0.24; PIN_NUMBER "T18" at 248.166,156.5 h0.24; PIN_NUMBER "T17" at 247.166,156.5 h0.24; PIN_NUMBER "T16" at 246.166,156.5 h0.24; PIN_NUMBER "R18" at 248.166,157.5 h0.24; PIN_NUMBER "R16" at 246.166,157.5 h0.24; PIN_NUMBER "V12" at 242.166,154.5 h0.24; PIN_NUMBER "R13" at 243.166,157.5 h0.24; PIN_NUMBER "T15" at 245.166,156.5 h0.24; PIN_NUMBER "U15" at 245.166,155.5 h0.24; PIN_NUMBER "V15" at 245.166,154.5 h0.24; PIN_NUMBER "R14" at 244.166,157.5 h0.24; PIN_NUMBER "T14" at 244.166,156.5 h0.24; PIN_NUMBER "U14" at 244.166,155.5 h0.24; PIN_NUMBER "V14" at 244.166,154.5 h0.24; PIN_NUMBER "T13" at 243.166,156.5 h0.24; PIN_NUMBER "U13" at 243.166,155.5 h0.24; PIN_NUMBER "V13" at 243.166,154.5 h0.24; PIN_NUMBER "R12" at 242.166,157.5 h0.24; PIN_NUMBER "T12" at 242.166,156.5 h0.24; PIN_NUMBER "U12" at 242.166,155.5 h0.24; PIN_NUMBER "V16" at 246.166,154.5 h0.24; PIN_NUMBER "V8" at 237.854,154.5 h0.24; PIN_NUMBER "R9" at 238.854,157.5 h0.24; PIN_NUMBER "T11" at 241.166,156.5 h0.24; PIN_NUMBER "U11" at 241.166,155.5 h0.24; PIN_NUMBER "V11" at 241.166,154.5 h0.24; PIN_NUMBER "R10" at 239.936,157.5 h0.24; PIN_NUMBER "T10" at 239.936,156.5 h0.24; PIN_NUMBER "U10" at 239.936,155.5 h0.24; PIN_NUMBER "V10" at 239.936,154.5 h0.24; PIN_NUMBER "T9" at 238.854,156.5 h0.24; PIN_NUMBER "U9" at 238.854,155.5 h0.24; PIN_NUMBER "V9" at 238.854,154.5 h0.24; PIN_NUMBER "R8" at 237.854,157.5 h0.24; PIN_NUMBER "T8" at 237.854,156.5 h0.24; PIN_NUMBER "U8" at 237.854,155.5 h0.24; PIN_NUMBER "R11" at 241.166,157.5 h0.24; PIN_NUMBER "A3" at 232.854,171.5 h0.24; PIN_NUMBER "D5" at 234.854,168.5 h0.24; PIN_NUMBER "C7" at 236.854,169.5 h0.24; PIN_NUMBER "B7" at 236.854,170.5 h0.24; PIN_NUMBER "A7" at 236.854,171.5 h0.24; PIN_NUMBER "D6" at 235.854,168.5 h0.24; PIN_NUMBER "C6" at 235.854,169.5 h0.24; PIN_NUMBER "B6" at 235.854,170.5 h0.24; PIN_NUMBER "A6" at 235.854,171.5 h0.24; PIN_NUMBER "C5" at 234.854,169.5 h0.24; PIN_NUMBER "B5" at 234.854,170.5 h0.24; PIN_NUMBER "A5" at 234.854,171.5 h0.24; PIN_NUMBER "C4" at 233.854,169.5 h0.24; PIN_NUMBER "B4" at 233.854,170.5 h0.24; PIN_NUMBER "A4" at 233.854,171.5 h0.24; PIN_NUMBER "D7" at 236.854,168.5 h0.24; PIN_NUMBER "V6" at 235.854,154.5 h0.24; PIN_NUMBER "R7" at 236.854,157.5 h0.24; PIN_NUMBER "T5" at 234.854,156.5 h0.24; PIN_NUMBER "U5" at 234.854,155.5 h0.24; PIN_NUMBER "V5" at 234.854,154.5 h0.24; PIN_NUMBER "T4" at 233.854,156.5 h0.24; PIN_NUMBER "U4" at 233.854,155.5 h0.24; PIN_NUMBER "V4" at 233.854,154.5 h0.24; PIN_NUMBER "V3" at 232.854,154.5 h0.24; PIN_NUMBER "T7" at 236.854,156.5 h0.24; PIN_NUMBER "U7" at 236.854,155.5 h0.24; PIN_NUMBER "V7" at 236.854,154.5 h0.24; PIN_NUMBER "R6" at 235.854,157.5 h0.24; PIN_NUMBER "T6" at 235.854,156.5 h0.24; PIN_NUMBER "U6" at 235.854,155.5 h0.24; PIN_NUMBER "R5" at 234.854,157.5 h0.24; PIN_NUMBER "C15" at 245.166,169.5 h0.24; PIN_NUMBER "B15" at 245.166,170.5 h0.24; PIN_NUMBER "A15" at 245.166,171.5 h0.24; PIN_NUMBER "B16" at 246.166,170.5 h0.24; PIN_NUMBER "A16" at 246.166,171.5 h0.24; PIN_NUMBER "A17" at 247.166,171.5 h0.24; PIN_NUMBER "A18" at 248.166,171.5 h0.24; PIN_NUMBER "B17" at 247.166,170.5 h0.24; PIN_NUMBER "H16" at 246.166,164.5 h0.24; PIN_NUMBER "H15" at 245.166,164.5 h0.24; PIN_NUMBER "B12" at 242.166,170.5 h0.24; PIN_NUMBER "C12" at 242.166,169.5 h0.24; PIN_NUMBER "A12" at 242.166,171.5 h0.24; PIN_NUMBER "D13" at 243.166,168.5 h0.24; PIN_NUMBER "F17" at 247.166,166.5 h0.24; PIN_NUMBER "F18" at 248.166,166.5 h0.24; PIN_NUMBER "D17" at 247.166,168.5 h0.24; PIN_NUMBER "D18" at 248.166,168.5 h0.24; PIN_NUMBER "E16" at 246.166,167.5 h0.24; PIN_NUMBER "E17" at 247.166,167.5 h0.24; PIN_NUMBER "L12" at 242.166,161.5 h0.24; PIN_NUMBER "L13" at 243.166,161.5 h0.24; PIN_NUMBER "L14" at 244.166,161.5 h0.24; PIN_NUMBER "L17" at 247.166,161.5 h0.24; PIN_NUMBER "L18" at 248.166,161.5 h0.24; PIN_NUMBER "J12" at 242.166,163.5 h0.24; PIN_NUMBER "J13" at 243.166,163.5 h0.24; PIN_NUMBER "J14" at 244.166,163.5 h0.24; PIN_NUMBER "H17" at 247.166,164.5 h0.24; PIN_NUMBER "H18" at 248.166,164.5 h0.24; PIN_NUMBER "G12" at 242.166,165.5 h0.24; PIN_NUMBER "G13" at 243.166,165.5 h0.24; PIN_NUMBER "G14" at 244.166,165.5 h0.24; PIN_NUMBER "F13" at 243.166,166.5 h0.24; PIN_NUMBER "F14" at 244.166,166.5 h0.24; PIN_NUMBER "E14" at 244.166,167.5 h0.24; PIN_NUMBER "E9" at 238.854,167.5 h0.24; PIN_NUMBER "F9" at 238.854,166.5 h0.24; PIN_NUMBER "F11" at 241.166,166.5 h0.24; PIN_NUMBER "E11" at 241.166,167.5 h0.24; PIN_NUMBER "F12" at 242.166,166.5 h0.24; PIN_NUMBER "E12" at 242.166,167.5 h0.24; PIN_NUMBER "E13" at 243.166,167.5 h0.24; PIN_NUMBER "P5" at 234.854,158.5 h0.24; PIN_NUMBER "N6" at 235.854,159.5 h0.24; PIN_NUMBER "N5" at 234.854,159.5 h0.24; PIN_NUMBER "M5" at 234.854,160.5 h0.24; PIN_NUMBER "M6" at 235.854,160.5 h0.24; PIN_NUMBER "M7" at 236.854,160.5 h0.24; PIN_NUMBER "K5" at 234.854,162.5 h0.24; PIN_NUMBER "K6" at 235.854,162.5 h0.24; PIN_NUMBER "K7" at 236.854,162.5 h0.24; PIN_NUMBER "H5" at 234.854,164.5 h0.24; PIN_NUMBER "H6" at 235.854,164.5 h0.24; PIN_NUMBER "H7" at 236.854,164.5 h0.24; PIN_NUMBER "P6" at 235.854,158.5 h0.24; PIN_NUMBER "N7" at 236.854,159.5 h0.24; PIN_NUMBER "P7" at 236.854,158.5 h0.24; PIN_NUMBER "N8" at 237.854,159.5 h0.24; PIN_NUMBER "P8" at 237.854,158.5 h0.24; PIN_NUMBER "P10" at 239.936,158.5 h0.24; PIN_NUMBER "N10" at 239.936,159.5 h0.24; PIN_NUMBER "D12" at 242.166,168.5 h0.24; PIN_NUMBER "G15" at 245.166,165.5 h0.24; PIN_NUMBER "M15" at 245.166,160.5 h0.24; PIN_NUMBER "G18" at 248.166,165.5 h0.24; PIN_NUMBER "R15" at 245.166,157.5 h0.24; PIN_NUMBER "P15" at 245.166,158.5 h0.24; PIN_NUMBER "J15" at 245.166,163.5 h0.24; PIN_NUMBER "F15" at 245.166,166.5 h0.24; PIN_NUMBER "E15" at 245.166,167.5 h0.24; PIN_NUMBER "D15" at 245.166,168.5 h0.24; PIN_NUMBER "V17" at 247.166,154.5 h0.24; PIN_NUMBER "U16" at 246.166,155.5 h0.24; PIN_NUMBER "M3" at 232.854,160.5 h0.24; PIN_NUMBER "M1" at 230.624,160.5 h0.24; PIN_NUMBER "R4" at 233.854,157.5 h0.24; PIN_NUMBER "N2" at 231.854,159.5 h0.24; PIN_NUMBER "F3" at 232.854,166.5 h0.24; PIN_NUMBER "D1" at 230.624,168.5 h0.24; PIN_NUMBER "D4" at 233.854,168.5 h0.24; PIN_NUMBER "D3" at 232.854,168.5 h0.24; PIN_NUMBER "C3" at 232.854,169.5 h0.24; PIN_NUMBER "C2" at 231.854,169.5 h0.24; PIN_NUMBER "C1" at 230.624,169.5 h0.24; PIN_NUMBER "B3" at 232.854,170.5 h0.24; PIN_NUMBER "B2" at 231.854,170.5 h0.24; PIN_NUMBER "V2" at 231.854,154.5 h0.24; PIN_NUMBER "V1" at 230.624,154.5 h0.24; PIN_NUMBER "B1" at 230.624,170.5 h0.24; PIN_NUMBER "U3" at 232.854,155.5 h0.24; PIN_NUMBER "U2" at 231.854,155.5 h0.24; PIN_NUMBER "U1" at 230.624,155.5 h0.24; PIN_NUMBER "T3" at 232.854,156.5 h0.24; PIN_NUMBER "T2" at 231.854,156.5 h0.24; PIN_NUMBER "T1" at 230.624,156.5 h0.24; PIN_NUMBER "R2" at 231.854,157.5 h0.24; PIN_NUMBER "R1" at 230.624,157.5 h0.24; PIN_NUMBER "P4" at 233.854,158.5 h0.24; PIN_NUMBER "P3" at 232.854,158.5 h0.24; PIN_NUMBER "A2" at 231.854,171.5 h0.24; PIN_NUMBER "P2" at 231.854,158.5 h0.24; PIN_NUMBER "P1" at 230.624,158.5 h0.24; PIN_NUMBER "N4" at 233.854,159.5 h0.24; PIN_NUMBER "N3" at 232.854,159.5 h0.24; PIN_NUMBER "F2" at 231.854,166.5 h0.24; PIN_NUMBER "F1" at 230.624,166.5 h0.24; PIN_NUMBER "E4" at 233.854,167.5 h0.24; PIN_NUMBER "E3" at 232.854,167.5 h0.24; PIN_NUMBER "E2" at 231.854,167.5 h0.24; PIN_NUMBER "E1" at 230.624,167.5 h0.24; PIN_NUMBER "A1" at 230.624,171.5 h0.24; PIN_NUMBER "R3" at 232.854,157.5 h0.24; PIN_NUMBER "N1" at 230.624,159.5 h0.24; PIN_NUMBER "F4" at 233.854,166.5 h0.24; PIN_NUMBER "D2" at 231.854,168.5 h0.24; PIN_NUMBER "J4" at 233.854,163.5 h0.24; PIN_NUMBER "J3" at 232.854,163.5 h0.24; PIN_NUMBER "M4" at 233.854,160.5 h0.24; PIN_NUMBER "J1" at 230.624,163.5 h0.24; PIN_NUMBER "J2" at 231.854,163.5 h0.24; PIN_NUMBER "M2" at 231.854,160.5 h0.24; PIN_NUMBER "G1" at 230.624,165.5 h0.24; PIN_NUMBER "G2" at 231.854,165.5 h0.24; PIN_NUMBER "K4" at 233.854,162.5 h0.24; PIN_NUMBER "H2" at 231.854,164.5 h0.24; PIN_NUMBER "L1" at 230.624,161.5 h0.24; PIN_NUMBER "H1" at 230.624,164.5 h0.24; PIN_NUMBER "L2" at 231.854,161.5 h0.24; PIN_NUMBER "G4" at 233.854,165.5 h0.24; PIN_NUMBER "L3" at 232.854,161.5 h0.24; PIN_NUMBER "G3" at 232.854,165.5 h0.24; PIN_NUMBER "L4" at 233.854,161.5 h0.24; PIN_NUMBER "K1" at 230.624,162.5 h0.24; PIN_NUMBER "H4" at 233.854,164.5 h0.24; PIN_NUMBER "K3" at 232.854,162.5 h0.24; PIN_NUMBER "H3" at 232.854,164.5 h0.24; PIN_NUMBER "K2" at 231.854,162.5 h0.24